# KiCad board HPM6E00EnetConnectTsnRevB.kicad_pcb (continued)
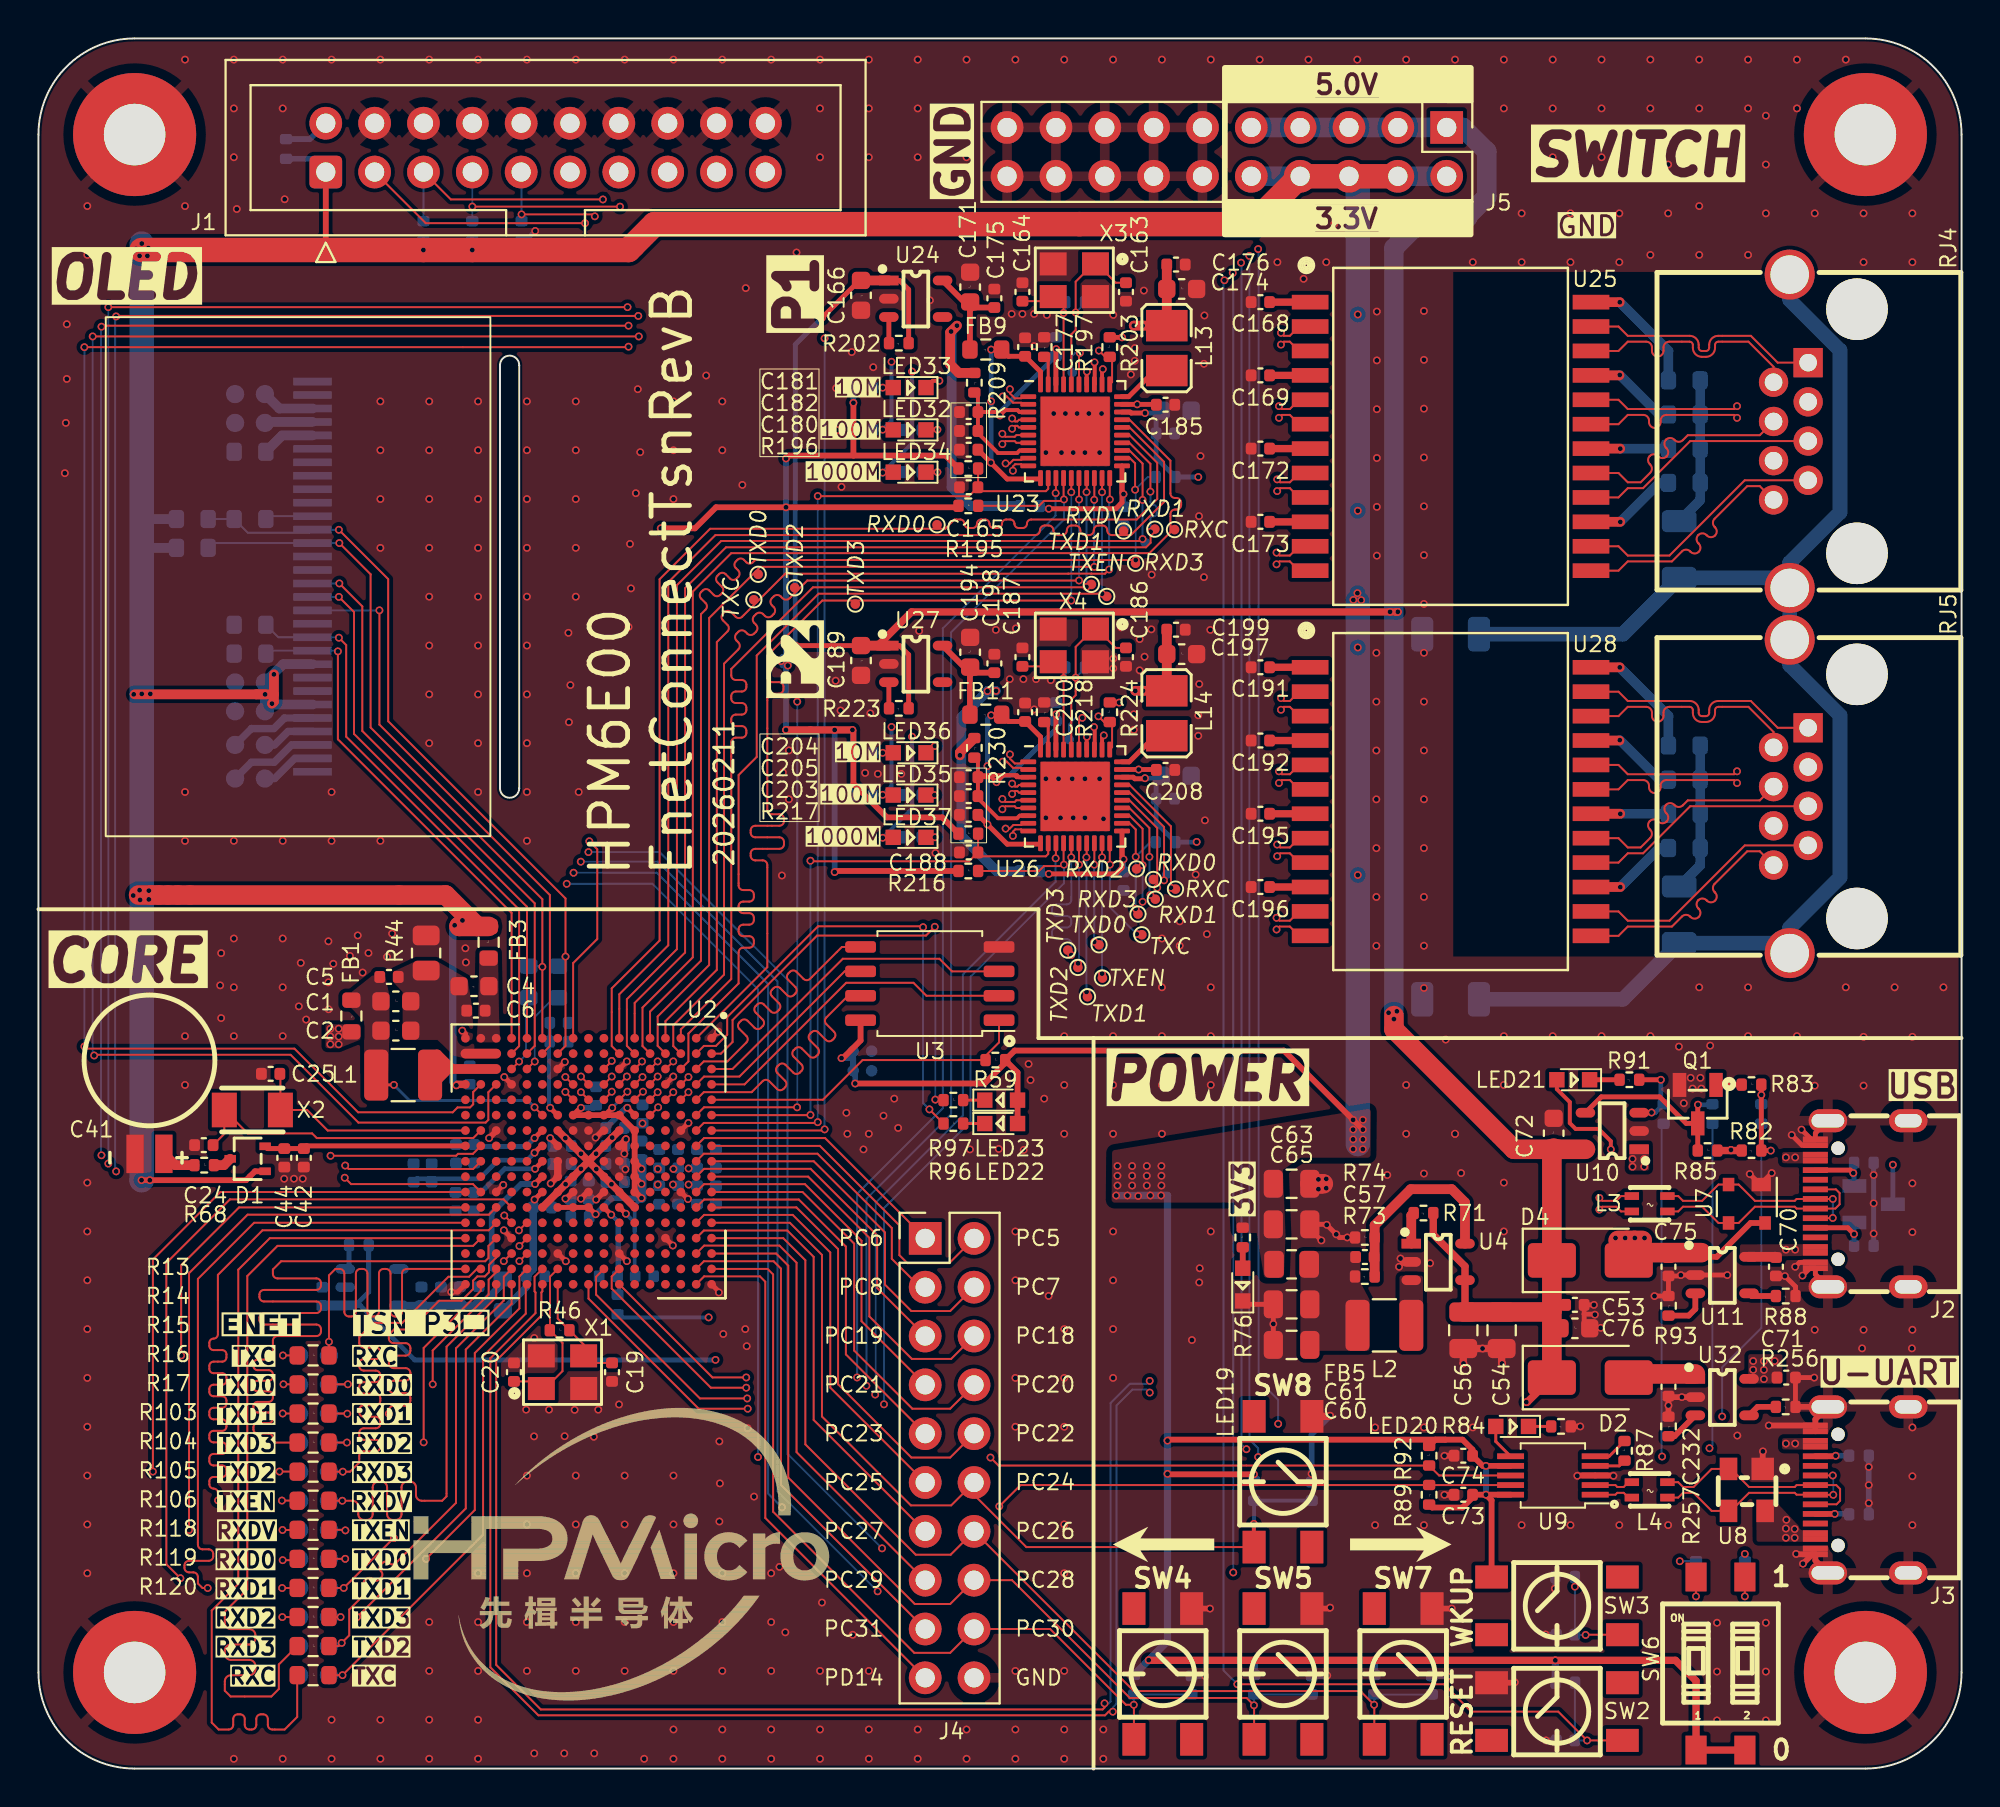
[diagram p0: board, top side]
## Nets (continued)
Net-(C41-Pad1): C41.1 R68.1
Net-(C57-Pad1): C57.1 C60.1 C61.1 FB5.2 L2.2 R73.2
Net-(C183-Pad1): C183.1 R210.1 R211.1 R212.1 R213.1
Net-(C206-Pad1): C206.1 R231.1 R232.1 R233.1 R234.1
Net-(D1-Pad3): D1.3 R68.2
Net-(D2-A): C232.1 D2.2 U32.1
Net-(D3-K): D3.3 R81.2 R82.1 R83.2
Net-(DS1-C1N): C68.2 DS1.5
Net-(DS1-C1P): C68.1 DS1.4
Net-(DS1-C2N): C66.1 DS1.2
Net-(DS1-C2P): C66.2 DS1.3
Net-(DS1-D2): DS1.20 R5.2
Net-(DS1-IREF): DS1.26 R8.2
Net-(DS1-VCC): C67.1 DS1.28
Net-(DS1-VCOMH): C69.1 DS1.27
Net-(J1-VCC/NC): J1.2 R51.1
Net-(J2-CC1): D3.1 J2.A5 R79.2
Net-(J2-CC2): D3.2 J2.B5 R77.2
Net-(J3-CC1): J3.A5 R80.2
Net-(J3-CC2): J3.B5 R78.2
Net-(LED19-A): LED19.2 R76.1
Net-(LED20-A): LED20.2 U9.6
Net-(LED20-K): LED20.1 R84.2
Net-(LED21-K): LED21.1 R91.2
Net-(LED22-K): LED22.1 R96.2
Net-(LED23-K): LED23.1 R97.2
Net-(LED32-K): LED32.1 R205.1
Net-(LED33-A): LED33.2 R204.1
Net-(LED34-K): LED34.1 R206.1
Net-(LED35-K): LED35.1 R226.1
Net-(LED36-A): LED36.2 R225.1
Net-(LED37-K): LED37.1 R227.1
Net-(Q1-D): Q1.3 R85.1 R86.1 U10.4
Net-(Q1-G): Q1.1 R83.1
Net-(SW6-PIN3): R99.1 SW6.3
Net-(SW6-PIN4): R98.1 SW6.4
Net-(U2C-USB0_VBUS): C23.1 R49.2 U2.H12
Net-(U2C-XTALI): C19.1 R46.2 U2.L17 X1.3
Net-(U2C-XTALO): C20.1 R46.1 U2.L16 X1.1
Net-(U2P-VDD_OTPCAP): C49.1 C50.1 U2.M8
Net-(U2P-VDD_PHY0CAP): C47.1 C48.1 U2.M7
Net-(U2P-VDD_PHY1CAP): C45.1 C46.1 U2.L6
Net-(U2P-VDD_PMCCAP): C51.1 C52.1 U2.M9
Net-(U4-EN): R71.2 U4.1
Net-(U4-FB): C57.2 R73.1 R74.2 U4.5
Net-(U4-LX): L2.1 U4.3
Net-(U5-EN): R72.2 U5.3
Net-(U9-~{CTS}): R87.2 U9.5
Net-(U9-~{RTS}): R87.1 U9.4
Net-(U10-FLG): R90.1 R91.1 U10.3
Net-(U11-EN): R88.2 U11.4
Net-(U11-IADJ): R93.2 U11.3
Net-(U11-IN): C70.1 J2.A4 J2.A9 J2.B4 J2.B9 U11.5
Net-(U23-CLKOUT): T65.1 U23.35
Net-(U23-RBIAS): R197.2 U23.39
Net-(U23-XI): C163.1 R193.1 U23.36 X3.1
Net-(U23-XO): C164.1 R193.2 U23.37 X3.3
Net-(U24-EN): R202.2 U24.3
Net-(U24-OUT): C171.1 C175.1 FB9.2 U24.5
Net-(U25-MCT1): R213.2 U25.24
Net-(U25-MCT2): R212.2 U25.21
Net-(U25-MCT3): R211.2 U25.18
Net-(U25-MCT4): R210.2 U25.15
Net-(U25-TCT1): C168.1 U25.1
Net-(U25-TCT2): C169.1 U25.4
Net-(U25-TCT4): C173.1 U25.10
Net-(U25-TDT3): C172.1 U25.7
Net-(U26-CLKOUT): T79.1 U26.35
Net-(U26-RBIAS): R218.2 U26.39
Net-(U26-XI): C186.1 R214.1 U26.36 X4.1
Net-(U26-XO): C187.1 R214.2 U26.37 X4.3
Net-(U27-EN): R223.2 U27.3
Net-(U27-OUT): C194.1 C198.1 FB11.2 U27.5
Net-(U28-MCT1): R234.2 U28.24
Net-(U28-MCT2): R233.2 U28.21
Net-(U28-MCT3): R232.2 U28.18
Net-(U28-MCT4): R231.2 U28.15
Net-(U28-TCT1): C191.1 U28.1
Net-(U28-TCT2): C192.1 U28.4
Net-(U28-TCT4): C196.1 U28.10
Net-(U28-TDT3): C195.1 U28.7
Net-(U32-EN): R256.2 U32.4
Net-(U32-IADJ): R257.2 U32.3

Pads without a net: DS1 7; J1 11 15 17 19; J2 A8 B8; J3 A8 B8; SW2 1 3; SW3 1 3; SW4 1 3; SW5 1 3; SW7 1 3; SW8 1 3; U5 4; U24 4; U27 4

## Via types
v1: diameter 0.406, hole 0.254, Top to Bottom, 1043 vias

## Routing (per net, layer and track width the routed paths; a pad name or vN(x,y) marks a point on that pad's centre or on a via; arc(x,y) is an arc through that point)
+3.3V: length 596
  Top w0.203: v1(81.76,32.21) 81.76,32.64 81.13,33.27 79.93,33.27 79.63,33.58 79.63,34.67 78.96,35.34 LED21.2
  Top w0.254: v1(57.54,51.52) 57.51,51.49 57.01,51.49 56.93,51.57 U26.28 ; R203.2 55.71,74.45 v1(56.35,74.45) ; U23.28 56.77,70.57 56.82,70.51 v1(57.54,70.51) ; v1(29.84,34.37) 29.45,33.99 U2.H6 ; v1(28.97,28.83) 28.62,29.19 U2.J12 U2.L12 ; v1(30.55,28.86) 30.22,29.19 30.2,29.19
  Top w0.3: v1(75.27,14.25) 75.56,13.95 SW3.2 ; v1(75.27,14.25) 74.58,14.25 C73.2 74.57,14.1 74.05,13.58 72.47,13.58 R89.2 ; v1(75.27,14.25) U9.10 ; v1(58.71,17.06) 58.76,17.11 73.16,17.11 ; U2.F10 31,30.77 v1(31.36,30.41) ; v1(5.36,30.61) v1(5.79,30.61) 10.8,30.61 11.26,31.07 D1.1 ; v1(31.36,31.2) 31,31.55 U2.F9 ; 42.38,68.3 v1(42.38,71.05) ; 42.38,68.3 47.17,68.3 R196.1 ; 42.38,68.3 39.02,68.3 v1(38.87,68.15) ; v1(42.33,54.03) 42.38,53.98 42.38,51.22 44.12,49.48 47,49.48 R217.1 ; 73.16,17.11 72.64,17.11 R92.2 ; 73.16,17.11 74.05,17.11 74.57,16.59 C74.1 75.1,15.75 v1(75.27,15.75) U9.7 ; U3.8 42.75,37.87 41.83,36.96 v1(41.76,36.96) ; LED22.2 LED23.2 50.91,36.21 R59.2 ; v1(68.87,33.24) 64.76,37.35 50.76,37.35 R59.2 ; 14.96,78.99 14.94,79.01 J1.1 ; v1(58.71,15.33) 58.73,15.31 v1(63.21,15.31) ; v1(32.36,64.52) 34.14,64.52 35.23,65.61 v1(38.87,65.61) 47.77,65.61 R195.1 ; R59.2 50.27,36.7 49.2,35.64 v1(42.47,35.64) ; R216.1 41.46,46.69 v1(41.4,46.63) ; v1(28.21,34.37) 27.83,33.99 U2.K6 30.2,33.99 U2.F7 U2.F11 31.04,29.99 v1(31.36,29.67) ; R224.2 55.71,55.45 v1(56.19,55.45)
  Top w0.381: SW6.2 SW6.1 86.19,4.56 85.13,5.63 v1(78.88,5.63) v1(69.48,5.63) v1(63.23,5.63) 57.74,5.63 v1(57.73,5.64) ; v1(42.33,54.03) v1(41.4,54.03) v1(38.87,54.03) ; R82.2 88.04,32.15 v1(88.01,32.18) 87.98,32.15 R85.2 ; 22.2,35.59 21.78,35.59 v1(21.73,35.54)
  Top w0.508: v1(12.14,55.4) 12.24,55.5 12.24,55.88 ; v1(11.79,55.88) 11.33,55.88 ; 11.33,55.88 5,55.88 ; 11.33,55.88 12.24,55.88 ; 12.24,55.88 v1(12.24,56.92)
  Top w1.016: 21.87,43.81 21.88,43.81 22.81,43.81 ; 22.81,43.81 FB3.2 ; 22.81,43.81 21.18,45.44 5.21,45.44
  Top w1.27: 5.36,78.99 v1(20.02,78.99) v1(22.56,78.99) 30.68,78.99 32.03,80.34 63.12,80.34 J5.8 J5.6 J5.4
  POWER3 w0.254: v1(60.23,48.2) 61.21,48.2 62.93,46.48 v1(68.61,46.48) ; v1(60.31,67.19) 61.38,67.19 63.13,65.43 v1(68.61,65.43)
  POWER3 w0.3: v1(56.19,55.45) 60.61,55.45 63.48,58.32 v1(68.61,58.32) ; v1(68.61,75.64) 61.75,75.64 60.56,74.45 v1(56.35,74.45)
  POWER3 w0.381: v1(88.01,32.18) 87.98,32.21 v1(81.76,32.21) 68.88,32.21 v1(68.87,32.22)
  POWER3 w0.762: v1(68.78,60.78) 68.58,60.99 56.15,60.99 52.77,57.61 38.87,57.61
  Bottom w0.152: C29.1 31.18,34.75 30.22,34.75 v1(29.84,34.37)
  Bottom w0.203: v1(30.55,28.86) 31,28.4 31,27.99 ; 31,27.99 31,29.32 v1(31.36,29.67) ; 31,27.99 31,25.64 C21.1
  Bottom w0.254: R55.1 20.02,79 v1(20.02,78.99) ; v1(60.31,67.19) R194.1 58.12,68.19 C170.1 58.12,70.37 C167.1 58.26,70.51 v1(57.54,70.51) ; v1(60.23,48.2) 60.21,48.19 R215.1 58.12,49.19 C193.1 58.12,51.37 C190.1 58.26,51.52 v1(57.54,51.52) ; R54.1 22.56,79 v1(22.56,78.99) ; 56.34,74.46 v1(56.35,74.45)
  Bottom w0.3: v1(75.27,14.25) v1(75.27,15.75) ; v1(42.38,71.05) 42.38,71.84 R204.2 ; R51.2 14.25,83.74 J1.1 ; R225.2 42.38,53.98 v1(42.33,54.03) ; v1(41.4,46.63) v1(41.4,54.03) ; 56.19,55.46 v1(56.19,55.45) ; 39.04,57.39 39.04,57.84 ; v1(42.47,35.64) 42.47,36.2 C31.1 ; 32.36,64.52 v1(32.36,64.52) ; v1(63.21,15.31) 63.21,15.3 R101.1 ; C31.1 42.37,36.96 v1(41.76,36.96) ; C31.1 C32.1 ; 38.68,57.38 38.68,57.83 ; v1(38.87,54.03) v1(38.87,65.61) v1(38.87,68.15) ; v1(28.21,34.37) 28.87,34.37 C30.1 ; v1(31.36,31.2) v1(31.36,30.41) v1(31.36,29.67) 29.81,29.67 v1(28.97,28.83)
  Bottom w0.381: v1(21.64,43.87) 21.89,44.12 v1(22.05,44.12) 21.54,43.61 21.54,35.73 v1(21.73,35.54) 21.78,35.59 C43.2 ; v1(78.88,5.63) 78.88,5.63 R48.1 ; v1(69.48,5.63) 69.46,5.61 R100.1 ; v1(63.23,5.63) 63.21,5.61 R95.1 ; v1(56.04,29.81) v1(56.63,29.81) 57.16,29.81 v1(57.19,29.78) 57.21,29.81 v1(57.82,29.81) v1(58.38,29.81) 58.71,29.81 v1(58.71,17.06) v1(58.71,15.33) 58.71,6.61 v1(57.73,5.64) R94.1
  Bottom w0.508: C28.2 v1(31.36,29.67) ; 5.37,64.9 5.47,65 R7.1 ; DS1.6 12.12,55.35 C64.1 C62.1 12.73,57.45 DS1.9 ; R6.1 5.45,63.5 5.37,63.58
  Bottom w1.016: 67.26,82.83 J5.10 ; 67.26,82.83 J5.2 ; 67.26,82.83 J5.6 68.61,82.37
  Bottom w1.27: 68.61,32.49 68.61,82.37 ; v1(5.36,30.61) 5.37,30.62 v1(5.37,55.91) v1(5.37,79.33)
  vias: v1(4.95,55.88) v1(4.93,45.42) v1(5.07,79.05) v1(5.26,78.69) v1(5.26,45.69) v1(5.28,45.19) v1(5.72,79.1) v1(5.66,78.69) v1(5.74,45.67) v1(5.74,45.21) v1(5.82,55.91) v1(32.21,31.19) v1(32.21,30.38) v1(33.02,31.19) v1(32.99,30.38) v1(33.81,31.22) v1(33.81,30.38) v1(38.61,57.61) v1(38.99,57.78) v1(38.96,57.38) v1(56.11,31.34) v1(56.11,30.84) v1(56.11,30.33) v1(56.87,31.34) v1(56.87,30.84) v1(56.87,30.33) v1(57.63,31.34) v1(57.63,30.84) v1(57.63,30.33) v1(58.39,31.34) v1(58.39,30.84) v1(58.39,30.33) v1(68.36,33.75) v1(68.36,33.24) v1(68.36,32.73) v1(68.36,32.22) v1(68.38,60.79) v1(68.59,61.14) v1(68.87,33.75) v1(68.87,32.73)
+3.3VA: length 13.2
  Top w0.3: v1(25.82,30.41) 26.2,30.79
  Bottom w0.3: v1(25.82,30.41) 25.1,30.41 23.57,28.88 23.57,26.04 FB2.2
  Bottom w0.381: U5.5 23,24.09 24.15,25.24 FB2.2
+5V: length 231.2
  Top w0.254: R223.1 45.25,57.94 44.78,58.41 U27.1 v1(39.38,58.41) ; R202.1 45.25,76.94 44.78,77.41 U24.1 ; C166.1 42.76,77.4 42.68,77.4 v1(40.74,75.46)
  Top w0.381: 70.59,60.15 70.61,60.17 v1(70.69,60.17) 70.68,60.17 45.4,60.17 43.65,58.41 ; v1(77.37,19.06) 77.42,19.06 D2.1 ; R71.1 72.53,27.78 74.18,26.13 U4.4 74.18,23.84 C56.1
  Top w0.508: C166.1 42.77,77.41 U24.1 ; U27.1 42.77,58.41 C189.1
  Top w1.016: 78.7,23.8 78.65,23.75 C56.1 ; 78.7,23.8 D2.1 ; 78.7,23.8 78.7,32.18 C72.1 ; 70.49,39.17 70.49,38.46 76.73,32.22 U10.5
  POWER3 w0.381: v1(35.2,21.26) 35.23,21.23 51.23,21.23 53.4,19.06 v1(77.37,19.06)
  Bottom w0.254: v1(40.74,75.46) 39.35,74.08 39.35,58.44 v1(39.38,58.41) ; R72.1 17.17,24.79 16.47,24.09 U5.1 16.73,24.09 19.56,21.26 v1(35.2,21.26)
  Bottom w0.508: C55.1 14.77,24.09 U5.1
  Bottom w1.016: 70.49,39.37 70.49,79.1 72.09,80.7 74.32,80.7 74.32,80.77 75.31,81.76 75.31,84.12 74.07,85.37 J5.1 J5.9
  vias: v1(70.21,39.32) v1(70.28,60.17) v1(70.49,38.99) v1(70.64,39.4)
/HPM6E00EnetConnectTsnRevB/10-USB-BOOT-KEY-LED/VBUS_DEBUG:
  vias: v1(89.16,21.2) v1(89.16,20.74) v1(89.72,21.2) v1(89.72,20.74) v1(89.72,20.26) v1(90.28,21.2) v1(90.87,16.91) v1(90.89,12.94) v1(90.87,12.49) v1(90.87,12) v1(91.35,16.91) v1(91.32,12.46) v1(91.32,12)
/HPM6E00EnetConnectTsnRevB/12-TSN-P1/AVDD: length 23
  Top w0.254: U23.40 52.11,72.66 C177.2 50.44,73.47 FB9.1 49.54,73.82 v1(49.54,73.82) ; U23.29 v1(57.13,70.97) 58.11,70.97 C185.1 ; C180.2 v1(49.52,67.93) 50.37,67.08 52.06,67.08 U23.11
  POWER3 w0.254: v1(57.13,70.97) 57.11,70.94 49.72,70.94 v1(49.54,71.12)
  Bottom w0.254: v1(49.54,73.82) v1(49.54,71.12) 49.54,67.95 v1(49.52,67.93)
/HPM6E00EnetConnectTsnRevB/12-TSN-P1/AVDDL: length 14.6
  Top w0.2: U23.8 51.02,68.57 50.89,68.43 49.9,68.43 48.85,69.47 C182.1
  Top w0.203: R209.2 48.85,71.39 C181.1 ; C181.1 C182.1 ; C181.1 49.82,70.57 v1(50,70.39) 50.28,70.67 50.91,70.67 51.01,70.57 U23.3
  Top w0.254: v1(52.92,73.84) 52.91,73.83 U23.38
  Bottom w0.254: v1(52.92,73.84) 52.91,73.83 C179.1 50,70.58 v1(50,70.39)
/HPM6E00EnetConnectTsnRevB/12-TSN-P1/DVDDL: length 7.7
  Top w0.254: 56.34,66.88 56.34,66.38 v1(56.42,66.3) ; 56.34,66.88 U23.21 ; 56.34,66.88 56.34,65.86 56.02,65.54 v1(52.54,65.54)
  Bottom w0.254: R208.2 52.2,65.54 v1(52.54,65.54) ; v1(56.42,66.3) C178.2
/HPM6E00EnetConnectTsnRevB/12-TSN-P1/VDDL: length 31.1
  Top w0.508: L13.2 v1(57.41,75.06) v1(56.96,75.06) ; R209.1 47.86,72.6 47.41,73.05 47.41,74.7 v1(47.76,75.06) ; C176.1 58.67,74.99
  POWER3 w0.508: 47.51,74.81 v1(47.76,75.06) v1(57.41,75.06)
  Bottom w0.508: R208.1 48.46,65.67 47.48,66.65 47.48,74.78 v1(47.76,75.06)
  vias: v1(47.46,74.76)
/HPM6E00EnetConnectTsnRevB/13-TSN-P2/AVDD: length 23.1
  Top w0.254: C208.1 58.11,51.97 v1(57.21,51.97) U26.29 ; U26.11 52.06,48.09 50.37,48.09 v1(49.35,49.11) C203.2 ; v1(49.54,54.79) 49.57,54.82 FB11.1 50.44,54.47 C200.2 52.11,53.67 U26.40
  POWER3 w0.254: v1(57.21,51.97) 57.19,51.95 49.55,51.95 v1(49.35,52.15)
  Bottom w0.254: v1(49.54,54.79) 49.35,54.6 v1(49.35,49.11)
/HPM6E00EnetConnectTsnRevB/13-TSN-P2/AVDDL: length 18.1
  Top w0.2: U26.8 51.02,49.57 50.89,49.43 49.9,49.43 48.85,50.48 C205.1
  Top w0.203: C204.1 48.95,51.67 50.89,51.67 50.99,51.57 U26.3 50.87,51.57 50.77,51.67 50.18,51.67 v1(49.82,51.31) 49.56,51.57 C204.1 ; C204.1 48.85,52.4 R230.2 ; C204.1 C205.1
  Top w0.254: U26.38 52.91,54.83 v1(52.92,54.85)
  Bottom w0.254: v1(49.82,51.31) 50.17,51.67 50.5,51.67 52.92,54.08 v1(52.92,54.85) 52.91,54.83 C202.1
/HPM6E00EnetConnectTsnRevB/13-TSN-P2/DVDDL: length 7.7
  Top w0.254: 56.34,47.89 56.34,46.87 56.02,46.54 v1(52.54,46.54) ; 56.34,47.89 56.34,47.38 v1(56.42,47.3) ; 56.34,47.89 U26.21
  Bottom w0.254: v1(52.54,46.54) 52.2,46.54 R229.2 ; v1(56.42,47.3) C201.2
/HPM6E00EnetConnectTsnRevB/13-TSN-P2/VDDL: length 26.5
  Top w0.508: C199.1 58.67,55.99 ; L14.2 v1(57.44,56.06) 57.04,56.06 v1(57.03,56.06) ; v1(47.91,52.71) 47.91,52.85 R230.1
  POWER3 w0.508: 49.36,56.06 57.44,56.06 v1(57.44,56.06)
  Bottom w0.508: v1(49.79,56.06) 49.36,56.06 v1(49.35,56.05) 47.99,54.69 47.99,48.52 49.83,46.68 R229.1
GND: length 85.1
  Top w0.254: v1(27.37,36.76) U2.L3 ; U2.L15 27.02,26.79 v1(27.42,26.39) ; v1(30.6,26.4) 30.2,26.79 ; U2.R11 24.17,30.36 v1(24.17,30.36) ; 80.37,23.64 C53.2 80.88,24.12 v1(80.88,24.12) ; 80.37,23.64 80.37,23.2 C76.2 81.22,22.9 v1(81.24,22.93) ; 80.37,23.64 80.91,23.64 v1(80.93,23.61) ; v1(91.17,32.96) 91.7,32.43 J2.B1 ; U2.C11 33.41,29.99 v1(33.78,29.62) ; v1(84.03,24.58) 84.04,24.58 R93.1 C75.2 85.36,25.62 v1(85.4,25.67) 85.41,25.67 U11.2 87.82,25.67 v1(87.82,25.67) ; R74.1 v1(68.06,27.63) 67.65,27.63 v1(67.49,27.79) v1(66.99,28.29) 66.97,28.31 C65.2 66.11,28.07 v1(66.71,27.47) ; v1(92.34,20.34) C71.2 91.36,18.82 R256.1 ; U2.P14 24.2,27.99 v1(24.2,28) ; v1(22.04,38.39) 22.2,38.22 22.2,37.99 ; v1(90.13,30.98) 89.58,30.43 U7.1 89.53,30.38 v1(88.99,30.93) ; J2.B12 91.58,26.33 v1(91.35,26.1) ; v1(91.68,33.24) 92.19,32.73 J2.A12 92.4,33.05 J2.2 ; v1(21.46,24.79) 21.8,24.79 22.2,25.19 ; v1(30.6,36.78) 30.2,36.39 ; U2.A1 v1(35.35,38.33) ; C70.2 90.81,25.62 v1(90.82,25.62) 91.37,25.07 R88.1 ; v1(35.38,24.77) 35.38,24.81 U2.A17 ; U2.C7 v1(33.8,33.58) ; LED19.1 62.8,24.15 C61.2 v1(64.21,23.13) C60.2 ; U2.D14 v1(32.98,27.21) ; v1(70.83,26.53) 71,26.36 U4.2 71,26.36 v1(70.75,26.1) ; v1(24.22,35.97) U2.P4 ; J2.1 92.4,25.71 J2.A1 92.12,26.03 v1(91.73,25.64) ; U2.D4 v1(33.01,36)
  Top w0.3: C74.2 73.11,16.27 v1(73.11,16.27) ; v1(67.17,8.37) 67.12,8.32 SW5.2 ; J3.A12 v1(89.98,17.85) ; U2.H11 29.39,29.99 v1(29,29.6) ; v1(80.02,15.23) 80.04,15.25 U9.3 81.88,15.25 v1(81.9,15.23) ; J3.A1 92.24,11.15 v1(91.75,10.66) ; J3.A1 92.4,10.83 J3.1 ; J3.A1 91.42,11.15 v1(91.4,11.17) ; SW2.2 76.75,4.47 v1(76.77,4.49) ; U2.J11 28.56,29.99 v1(28.21,29.65) ; C73.1 73.11,14.24 v1(73.11,14.24) ; SW4.2 60.92,8.32 v1(60.92,8.32) ; v1(80.17,17.8) 80.17,17.8 R84.1 ; U2.L8 27,32.4 v1(26.61,32.8) ; v1(28.97,32.82) 29.34,33.19 U2.H7 ; U2.L10 26.99,30.79 v1(26.63,30.44) ; 30.2,32.39 v1(30.55,32.74) 30.55,32.79 30.47,32.71 v1(30.47,31.98) ; R256.1 93.05,18.81 J3.2 92.4,18.17 J3.B1 ; R257.1 v1(84.76,18.89) C232.2 84.82,19.32 v1(85.46,19.32) U32.2 ; SW7.2 v1(73.49,8.32) ; v1(27.4,29.64) 27.46,29.64 U2.K11 ; U8.1 89.66,16.49 v1(89.67,16.5) ; U2.R7 23.8,33.17 v1(23.43,32.8)
  Top w0.381: v1(67.17,18.35) 67.14,18.32 SW8.2 ; U2.L9 U2.L10 ; v1(74.1,21.07) 74.09,21.08 C56.2 v1(75.09,21.85) C54.2 76.08,21.1 v1(76.11,21.07)
  Top w1.016: C63.2 66.81,30.42
  Bottom w0.254: R79.1 v1(95.43,27.83) v1(95.43,29.4) v1(95.43,30.88) R77.1 ; v1(25.83,79.98) 25.32,79.47 R53.1
  Bottom w0.3: C80.2 66.22,15.32 v1(66.2,15.33) 66.2,17.39 v1(67.17,18.35) ; R50.1 78.88,9.39 v1(78.85,9.36) ; C26.2 78.38,6.96 v1(78.37,6.97) ; v1(73.29,4.79) 73.26,4.82 C79.2 ; v1(60.67,4.82) 60.66,4.82 C77.2 ; C22.2 v1(78.39,1.46) ; R78.1 v1(95.18,15.69) v1(95.18,14.75) v1(95.18,13.81) R80.1 ; C78.2 66.99,4.82 v1(67.02,4.84)
  vias: v1(1.42,70) v1(1.37,67.39) v1(1.47,75.13) v1(1.47,72.29) v1(2.54,81.28) v1(2.54,78.74) v1(2.54,30.48) v1(2.54,27.94) v1(2.54,25.4) v1(2.54,22.86) v1(2.54,20.32) v1(2.54,17.78) v1(2.54,15.24) v1(2.54,12.7) v1(2.54,10.16) v1(7.62,88.9) v1(7.62,81.28) v1(7.62,50.8) v1(7.62,48.26) v1(7.62,38.1) v1(7.62,35.56) v1(9.45,40.74) v1(9.5,42.42) v1(9.5,39.04) v1(10.16,88.9) v1(10.16,86.36) v1(10.16,83.82) v1(10.16,48.26) v1(10.16,43.18) v1(10.16,40.64) v1(10.16,38.1) v1(10.16,0.51) v1(10.31,81.13) v1(12.7,88.9) v1(12.7,86.36) v1(12.7,48.26) v1(12.7,43.18) v1(12.7,40.64) v1(12.7,38.1) v1(12.7,0.51) v1(12.8,81.64) v1(12.78,30.68) v1(13.28,30.68) v1(13.54,39.65) v1(13.64,41.91) v1(13.74,30.68) v1(13.92,38.96) v1(15.08,43.03) v1(15.08,40.9) v1(15.09,39.5) v1(15.24,88.9) v1(15.24,50.8) v1(15.24,48.26) v1(15.24,2.54) v1(15.24,0.51) v1(15.33,41.87) v1(16.2,42.27) v1(16.6,43.34) v1(16.86,41.41) v1(17.16,42.42) v1(17.78,88.9) v1(17.78,71.12) v1(17.78,68.58) v1(17.78,66.04) v1(17.78,63.5) v1(17.78,48.26) v1(17.78,2.54) v1(17.78,0.51) v1(18.13,42.22) v1(18.39,43.43) v1(20.32,88.9) v1(20.32,71.12) v1(20.32,68.58) v1(20.32,66.04) v1(20.32,63.5) v1(20.32,60.96) v1(20.32,58.42) v1(20.32,55.88) v1(20.32,53.34) v1(20.32,7.62) v1(20.32,5.08) v1(20.32,2.54) v1(20.32,0.51) v1(22.2,42.67) v1(22.23,41.94) v1(22.86,88.9) v1(22.86,71.12) v1(22.86,68.58) v1(22.86,66.04) v1(22.86,63.5) v1(22.86,60.96) v1(22.86,58.42) v1(22.86,55.88) v1(22.86,53.34) v1(22.86,50.8) v1(22.86,10.16) v1(22.86,7.62) v1(22.86,5.08) v1(22.86,2.54) v1(22.86,0.51) v1(25.36,18.67) v1(25.4,88.9) v1(25.4,71.12) v1(25.4,68.58) v1(25.4,66.04) v1(25.4,63.5) v1(25.4,60.96) v1(25.4,58.42) v1(25.4,55.88) v1(25.4,53.34) v1(25.4,50.8) v1(25.4,48.26) v1(25.4,15.24) v1(25.4,12.7) v1(25.4,10.16) v1(25.4,7.62) v1(25.4,5.08) v1(25.78,22.4) v1(25.77,17.28) v1(25.78,0.79) v1(26.55,18.67) v1(27.36,17.29) v1(27.34,0.79) v1(27.56,59.08) v1(27.66,56.36) v1(27.58,54.43) v1(27.94,88.9) v1(27.94,71.12) v1(27.94,68.58) v1(27.94,66.04) v1(27.94,63.5) v1(27.94,60.96) v1(27.88,18.66) v1(27.94,15.24) v1(27.94,12.7) v1(27.94,10.16) v1(27.94,7.62) v1(27.94,5.08) v1(28.09,50.8) v1(28.88,17.26) v1(28.9,0.79) v1(29.11,18.67) v1(30.19,18.94) v1(30.48,88.9) v1(30.52,31.17) v1(30.48,15.24) v1(30.48,12.7) v1(30.48,10.16) v1(30.48,7.62) v1(30.48,5.08) v1(30.76,63.7) v1(30.68,59.39) v1(30.81,61.39) v1(31.06,66.34) v1(31.17,71.75) v1(31.29,68.48) v1(31.41,33.56) v1(31.5,0.51) v1(33.02,88.9) v1(33.02,71.12) v1(33.02,68.58) v1(33.02,66.04) v1(33.02,15.24) v1(33.02,12.7) v1(33.02,10.16) v1(33.02,7.62) v1(33.02,5.08) v1(33.02,2.03) v1(33.02,0.51) v1(34.72,72.47) v1(35.41,17.02) v1(35.43,14.83) v1(35.41,12.85) v1(35.56,88.9) v1(35.56,71.12) v1(35.56,68.58) v1(35.56,10.16) v1(35.56,7.62) v1(35.56,5.08) v1(35.56,2.03) v1(35.56,0.51) v1(35.61,22.61) v1(36.6,66.78) v1(36.75,22.86) v1(36.78,77.01) v1(36.83,21.97) v1(36.88,17.7) v1(37.21,14.15) v1(38.1,88.9) v1(38.1,10.16) v1(38.1,7.62) v1(38.1,5.08) v1(38.1,2.03) v1(38.1,0.51) v1(38.53,10.49) v1(38.66,46.46) v1(38.71,51.82) v1(38.84,7.09) v1(39.02,52.96) v1(39.02,50.42) v1(39.42,78.87) v1(40.64,88.9) v1(40.64,86.36) v1(40.64,83.82) v1(40.64,5.08) v1(40.64,2.03) v1(40.64,0.51) v1(40.74,8.64) v1(41.45,56.59) v1(41.48,71.81) v1(41.53,69.62) v1(41.76,66.67) v1(41.71,55.04) v1(42.01,34.11) v1(42.06,33.02) v1(42.29,73.69) v1(42.34,6.96) v1(42.9,32.21) v1(42.99,51.79) v1(43.18,88.9) v1(43.18,86.36) v1(43.18,83.82) v1(43.26,54.89) v1(43.18,33.02) v1(43.18,5.08) v1(43.18,2.03) v1(43.18,0.51) v1(43.41,72.9) v1(43.65,51.74) v1(43.94,33.96) v1(44.5,34.85) v1(44.7,33.32) v1(44.87,51.74) v1(45.72,88.9) v1(45.72,86.36) v1(45.72,83.82) v1(45.72,2.03) v1(45.72,0.51) v1(45.8,59.18) v1(46.36,76.38) v1(46.64,47.63) v1(48.26,88.9) v1(48.26,86.36) v1(48.26,83.82) v1(48.26,2.03) v1(48.26,0.51) v1(48.44,32.21) v1(49.78,59.23) v1(49.94,32.23) v1(50.51,56.67) v1(50.61,75.67) v1(50.8,88.9) v1(50.83,59.31) v1(50.8,27.94) v1(50.8,25.4) v1(50.8,20.32) v1(50.8,17.78) v1(50.8,5.08) v1(50.8,2.03) v1(50.8,0.51) v1(51.17,75.67) v1(51.22,56.67) v1(51.23,32.18) v1(51.49,36.65) v1(51.59,35.81) v1(51.78,75.67) v1(51.78,73.99) v1(51.78,55.1) v1(51.88,56.67) v1(52.3,34.85) v1(52.44,75.62) v1(52.38,68.46) v1(52.38,51.49) v1(52.38,49.46) v1(52.53,24.59) v1(52.64,56.62) v1(52.79,70.49) v1(53.05,51.49) v1(53.15,49.46) v1(53.2,68.46) v1(53.34,88.9) v1(53.34,38.1) v1(53.34,35.56) v1(53.34,33.02) v1(53.34,22.86) v1(53.34,20.32) v1(53.34,17.78) v1(53.34,12.7) v1(53.34,10.16) v1(53.34,5.08) v1(53.34,2.03) v1(53.34,0.51) v1(53.4,70.49) v1(53.76,51.49) v1(53.81,68.46) v1(53.81,49.46) v1(54.01,70.49) v1(54.42,68.46) v1(54.42,51.49) v1(54.42,49.46) v1(54.62,70.49) v1(55.18,68.46) v1(55.18,51.49) v1(55.28,70.49) v1(55.38,49.41) v1(55.37,2.03) v1(55.37,0.51) v1(55.88,88.9) v1(55.89,75.62) v1(55.89,57.74) v1(55.89,57.23) v1(55.88,38.1) v1(55.88,35.56) v1(55.88,33.02) v1(55.88,27.94) v1(55.88,25.4) v1(55.88,22.86) v1(55.88,20.32) v1(56.3,59.36) v1(56.8,72.52) v1(56.96,54.84) v1(56.96,54.03) v1(57.01,73.89) v1(57.01,73.23) v1(57.26,58.75) v1(57.26,57.13) v1(57.48,76.89) v1(57.52,57.84) v1(57.89,62.1) v1(57.87,59.26) v1(58.42,88.9) v1(58.42,43.18) v1(58.42,40.64) v1(58.42,38.1) v1(58.42,35.56) v1(58.42,33.02) v1(59.34,44.07) v1(59.34,42.8) v1(59.98,22.29) v1(60.17,46.51) v1(60.35,65.15) v1(60.36,56.42) v1(60.31,54.79) v1(60.31,53.72) v1(60.36,25.29) v1(60.43,68.28) v1(60.39,26.02) v1(60.63,75.59) v1(60.6,73.08) v1(60.6,61.98) v1(60.66,49.33) v1(60.76,43.41) v1(60.96,88.9) v1(60.93,59.23) v1(60.96,40.64) v1(60.96,38.1) v1(60.96,35.56) v1(60.96,27.94) v1(63.5,88.9) v1(64.42,78.36) v1(65.79,77.5) v1(66.04,88.9) v1(66.56,30.65) v1(66.56,30.14) v1(66.96,78.36) v1(66.96,30.67) v1(66.96,30.19) v1(67.39,80.37) v1(68.58,88.9) v1(69.5,17.74) v1(69.5,12.66) v1(69.6,75.79) v1(69.6,73.25) v1(69.6,70.71) v1(69.6,68.17) v1(69.6,65.63) v1(69.6,63.09) v1(69.57,58.04) v1(69.57,55.5) v1(69.57,52.96) v1(69.57,50.42) v1(69.57,47.88) v1(69.57,45.34) v1(69.57,42.8) v1(70.14,30.88) v1(71.12,88.9) v1(71.12,35.56) v1(71.12,33.02) v1(72.04,75.82) v1(72.04,73.28) v1(72.04,70.74) v1(72.04,68.2) v1(72.04,65.66) v1(72.04,63.12) v1(72.04,60.58) v1(72.04,58.04) v1(72.04,55.5) v1(72.04,52.96) v1(72.04,50.42) v1(72.04,47.88) v1(72.04,45.34) v1(72.04,42.8) v1(72.04,40.6) v1(72.04,30.95) v1(72.04,17.74) v1(72.04,12.66) v1(72.36,26.29) v1(73.18,37.92) v1(73.66,88.9) v1(73.66,33.02) v1(73.66,33.02) v1(73.97,30.98) v1(74.58,78.36) v1(74.58,17.74) v1(76.2,88.9) v1(76.2,86.36) v1(76.2,38.1) v1(76.2,35.56) v1(76.2,30.48) v1(76.2,27.94) v1(77.12,80.9) v1(77.12,78.36) v1(77.12,12.66) v1(78.74,88.9) v1(78.74,86.36) v1(78.74,83.82) v1(78.74,38.1) v1(79.66,80.9) v1(79.66,78.36) v1(79.66,12.66) v1(81.28,88.9) v1(81.28,86.36) v1(81.28,83.82) v1(81.28,38.1) v1(82.2,80.9) v1(82.2,78.36) v1(82.2,12.66) v1(83.82,88.9) v1(83.82,86.36) v1(83.82,78.74) v1(83.82,38.1) v1(84.74,83.44) v1(84.74,80.9) v1(84.74,12.66) v1(85.3,37.56) v1(85.56,34.61) v1(85.91,35.93) v1(86.01,35.37) v1(86.36,88.9) v1(86.36,86.36) v1(86.36,83.82) v1(86.36,81.28) v1(86.36,78.74) v1(86.36,40.64) v1(86.42,35.93) v1(86.47,35.37) v1(86.93,37.61) v1(87.28,7.58) v1(87.28,5.04) v1(87.28,2.5) v1(88.34,17.32) v1(88.9,88.9) v1(88.9,86.36) v1(88.9,78.74) v1(88.9,40.64) v1(88.9,38.1) v1(89.82,85.98) v1(89.82,83.44) v1(89.82,80.9) v1(89.82,7.58) v1(89.82,5.04) v1(89.82,2.5) v1(91.44,88.9) v1(91.44,86.36) v1(91.44,38.1) v1(92.36,80.9) v1(92.36,35.52) v1(92.36,22.82) v1(93.98,88.9) v1(93.98,40.64) v1(94.83,21.86) v1(94.9,80.9) v1(94.9,78.36) v1(94.9,38.06) v1(94.9,35.52) v1(94.9,22.82) v1(96.52,40.64) v1(97.44,80.9) v1(97.44,78.36) v1(97.44,38.06) v1(97.44,30.44) v1(97.44,27.9) v1(97.44,22.82) v1(97.42,21.86) v1(97.44,17.74) v1(97.44,15.2) v1(97.44,12.66) v1(99.06,40.64)
GND2: length 74.8
  Bottom w0.762: RJ4.9 91.06,62.73 93.68,65.35 93.68,73.78 91.06,76.4 RJ4.10 ; RJ4.9 90.54,61.94 C183.2 82.39,59.01 C184.2 ; RJ4.9 RJ5.10 91.06,57.4 93.68,54.79 93.68,46.35 91.06,43.74 RJ5.9 90.54,42.94 C206.2 82.39,40.01 C207.2
VBAT: length 12.8
  Top w0.203: D1.2 11.91,32.25 14.01,32.25
  Top w0.254: D1.2 11.91,32.25 C42.1 13.94,32.39 22.2,32.39
VBUS: length 68
  Top w0.3: U11.1 87.27,26.62 89.03,28.38 U7.4
  Top w0.508: 82.88,26.62 D4.2
  Top w1.016: 82.14,27.47 83.4,27.47 ; 86.47,26.84 83.2,26.84
  POWER3 w0.254: v1(82.89,31.31) 81.19,31.31 70.28,20.4 64.29,20.4 60.91,23.77 45.29,23.77 44.98,23.47 v1(34.85,23.47)
  Bottom w0.203: v1(34.85,23.47) 30.27,23.47 R49.1
  vias: v1(82.01,27.6) v1(82.51,27.6) v1(82.89,31.71) v1(83.01,27.6) v1(83.5,31.71) v1(83.5,31.31) v1(83.52,27.6)
VDD_SOC: length 13.4
  Top w0.254: U2.F6 v1(30.62,34.37)
  Top w0.381: U2.L7 v1(27.4,32.8) v1(28.21,31.98) v1(29.01,31.18) v1(29.8,30.4) U2.F12 ; 30.2,33.19 v1(29.83,32.82) v1(29,31.98) v1(28.21,31.2) v1(27.41,30.4) 26.2,29.19
  Bottom w0.3: v1(30.62,34.37) 30.55,34.37 C17.1
  vias: v1(15.18,38.49) v1(15.18,38.08) v1(15.18,37.67) v1(15.61,38.49) v1(15.61,38.08) v1(15.61,37.67)
/HPM6E00EnetConnectTsnRevB/02-USB-OSC/RESETN: length 218.4
  Top w0.102: v1(62.34,4.39) 73.08,4.39 74.51,2.96 79.03,2.96 v1(80.53,1.46) SW2.4 ; v1(2.39,73.94) 30.66,73.94 v1(30.68,73.96) ; v1(2.39,37.56) 2.5,37.45 13.31,37.45 16.62,34.14 21.54,34.14 21.79,34.39 22.44,34.39 22.61,34.56 22.61,35.19 U2.T4
  POWER3 w0.102: v1(30.68,73.96) 30.71,73.94 38.07,73.94 41.55,77.42 v1(61.67,77.42)
  Bottom w0.102: v1(2.39,37.56) 2.39,37.57 v1(2.39,73.94) ; v1(80.53,1.46) C22.1 79.89,4.46 R48.2 ; v1(62.34,4.39) 61.62,5.11 61.62,77.37 v1(61.67,77.42)
/HPM6E00EnetConnectTsnRevB/02-USB-OSC/RTC_XI: length 12
  Top w0.102: 12.58,36.11 X2.2 13.97,34.26 15.04,33.19 22.2,33.19 ; 12.97,34.83 12.94,34.85
/HPM6E00EnetConnectTsnRevB/02-USB-OSC/RTC_XO: length 16.2
  Top w0.102: C24.1 9.66,33.02 9.66,34.26 10.88,33.04 14.23,33.04 14.47,32.8 22.61,32.8 U2.T7
/HPM6E00EnetConnectTsnRevB/02-USB-OSC/WAKEUP: length 213.3
  Top w0.102: v1(2.82,74.5) v1(31.22,74.5) ; v1(80.45,6.95) 80.47,6.96 SW3.4 ; v1(2.9,37.09) 2.93,37.13 13.11,37.13 16.64,33.6 23.25,33.6 23.39,33.74 23.39,35.18 U2.R4